# Altium PCB TD4_CPU.PcbDoc (part 3 of 3)
Units mm, origin at the board's own origin, x right, y up, seen from the top; angles counter-clockwise.
Board outline 102.11 x 192.02 mm, 2 copper layers (Top Layer, Bottom Layer); 361 components, 295 nets, 1160 pads, 333 vias.
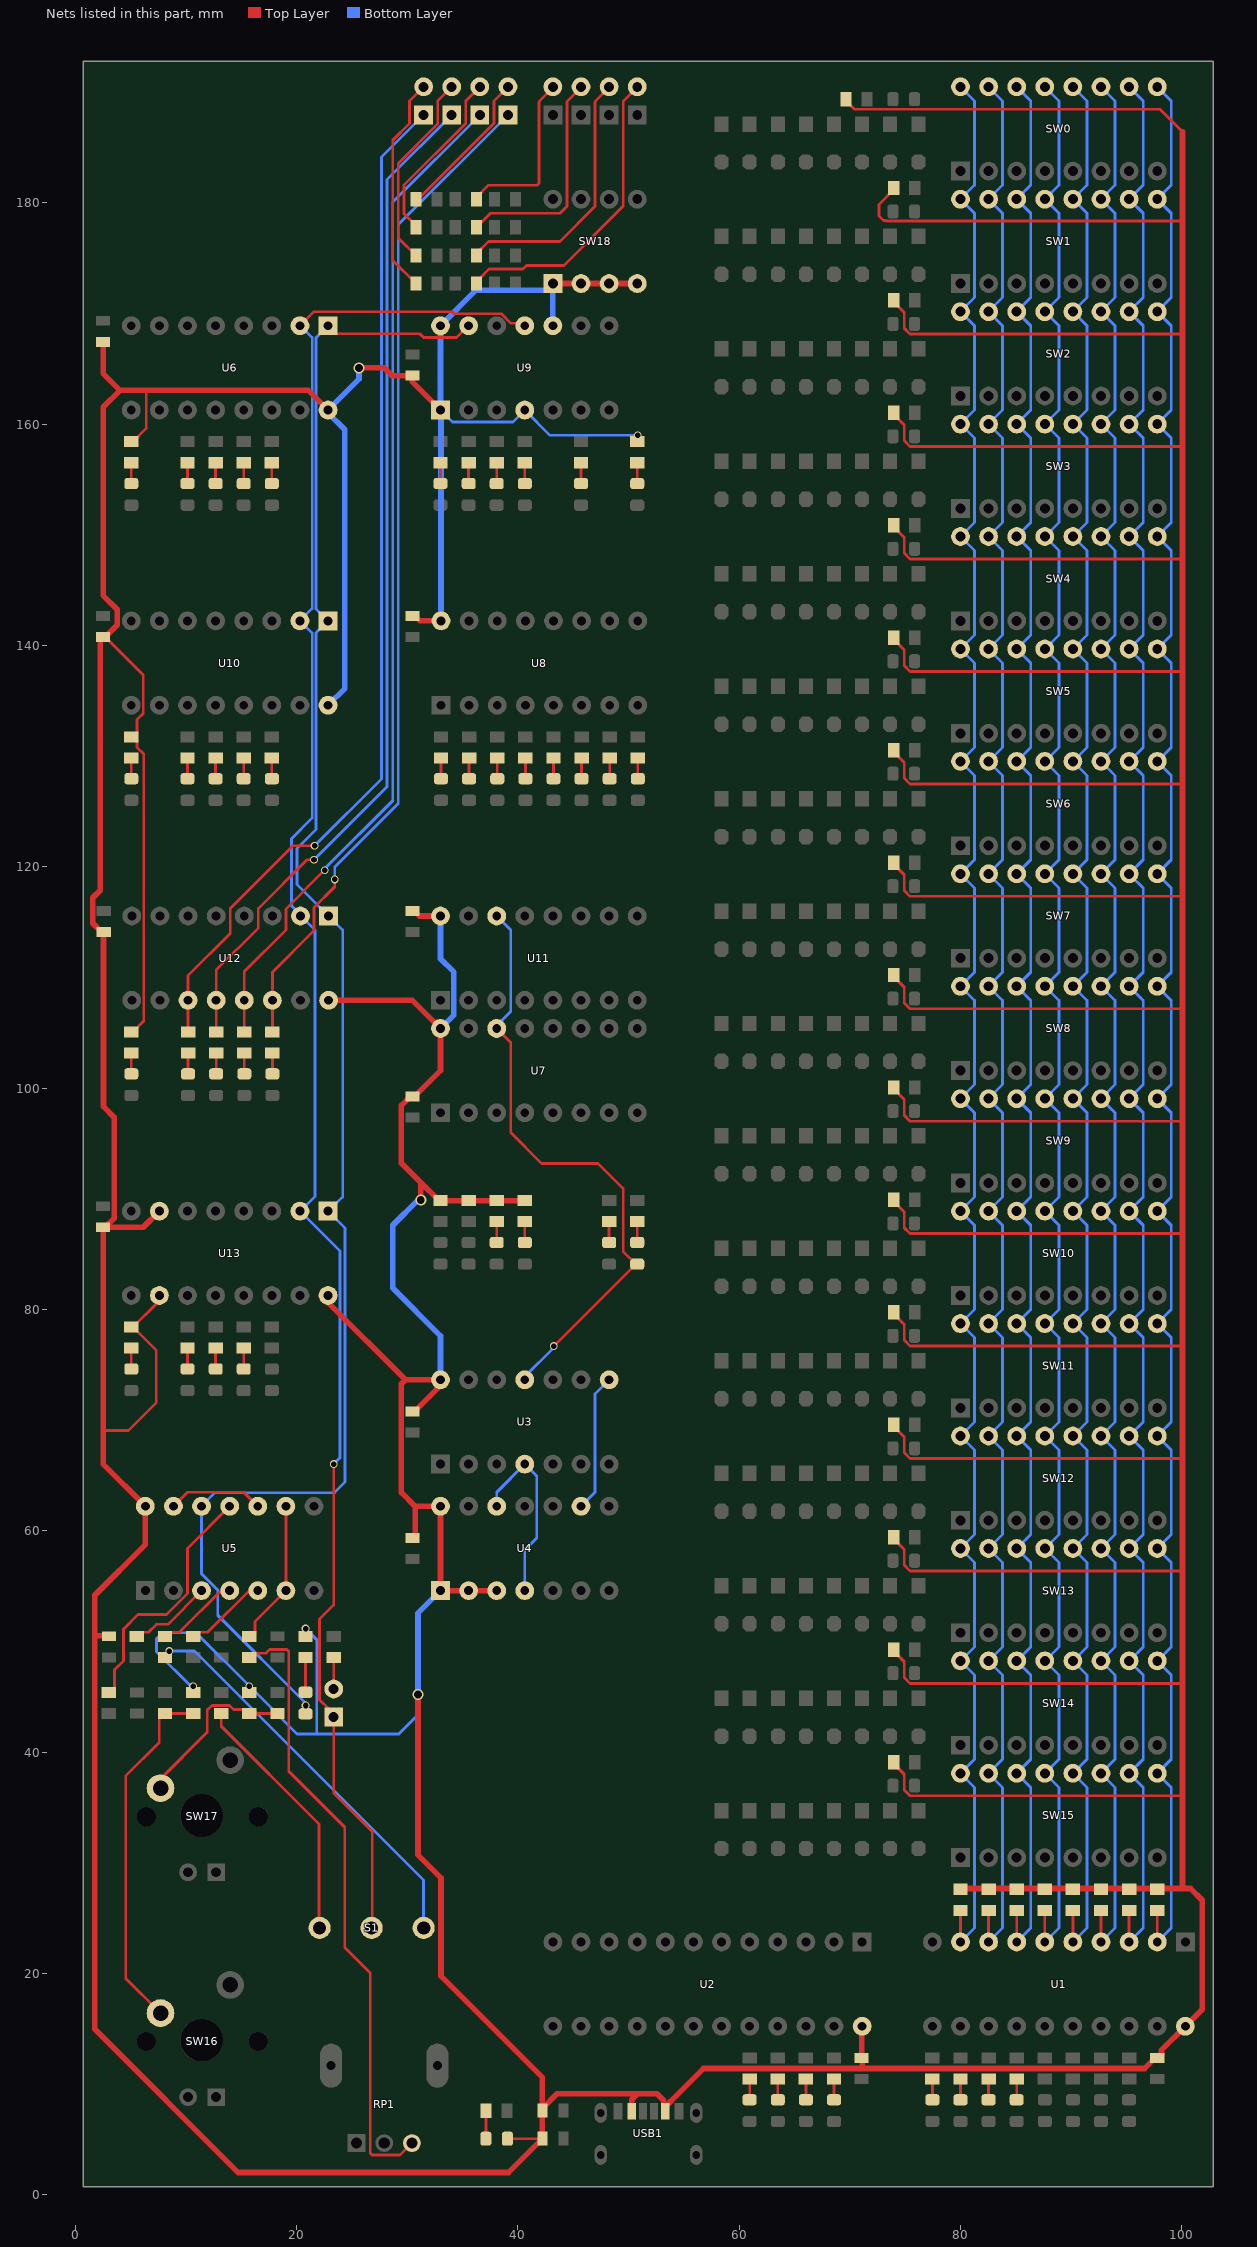
[diagram p3: the nets of this part, all layers, seen from the top]

## Via types
v1: diameter 0.6, hole 0.5, Top Layer to Bottom Layer, tented both sides, 253 vias
v2: diameter 0.7, hole 0.5, Top Layer to Bottom Layer, tented both sides, 77 vias
v3: diameter 1, hole 0.7, Top Layer to Bottom Layer, tented both sides, 3 vias

## Nets (pads, with @x,y where several pads share a name; then routed paths per layer and width w, separated by ;. In a path a pad name is that pad's centre, name@x,y a point inside that pad or via, vN(x,y) a via of type N, cw(c..) or ccw(c..) an arc to the next point about the centre after c; other vN are vias at no path point) (continued)
NetLED23_1: LED23.1 R32.1 | length 1.9
  Top Layer w0.254: LED23.1@38.1,86.065 R32.1@38.1,87.95
NetLED24_1: LED24.1 R33.1 | length 1.9
  Top Layer w0.254: LED24.1@15.24,74.635 R33.1@15.24,76.52
NetLED25_1: LED25.1 R34.1 | length 1.9
  Top Layer w0.254: LED25.1@85.09,8.595 R34.1@85.09,10.48
NetLED26_1: LED26.1 R35.1 | length 1.9
  Top Layer w0.254: LED26.1@40.64,86.065 R35.1@40.64,87.95
NetLED27_1: LED27.1 R36.1 | length 1.9
  Top Layer w0.254: LED27.1@12.7,74.635 R36.1@12.7,76.52
NetLED28_1: LED28.1 R37.1 | length 1.9
  Top Layer w0.254: LED28.1@82.55,8.595 R37.1@82.55,10.48
NetLED29_1: LED29.1 R38.1 | length 1.9
  Top Layer w0.254: LED29.1@10.16,74.635 R38.1@10.16,76.52
NetLED30_1: LED30.1 R39.1 | length 1.9
  Top Layer w0.254: LED30.1@80.01,8.595 R39.1@80.01,10.48
NetLED31_1: LED31.1 R40.1 | length 1.9
  Top Layer w0.254: LED31.1@77.47,8.595 R40.1@77.47,10.48
NetLED32_1: LED32.1 R41.1 | length 1.9
  Top Layer w0.254: LED32.1@50.8,154.645 R41.1@50.8,156.53
NetLED33_2: LED33.2 R42.2 | length 1.9
  Top Layer w0.254: LED33.2@50.8,86.065 R42.2@50.8,87.95
NetLED34_2: LED34.2 R43.2 | length 1.9
  Top Layer w0.254: LED34.2@48.26,86.065 R43.2@48.26,87.95
NetLED35_2: LED35.2 R44.2 | length 3.2
  Top Layer w0.254: LED35.2@23.368,45.425 R44.2@23.368,48.58
NetLED36_1: LED36.1 R45.2 | length 3.2
  Top Layer w0.254: LED36.1@20.828,45.425 R45.2@20.828,48.58
NetLED37_2: LED37.2 R46.2 | length 1.9
  Top Layer w0.254: LED37.2@45.72,154.645 R46.2@45.72,156.53
NetLED38_2: LED38.2 R47.2 | length 1.9
  Top Layer w0.254: LED38.2@50.851,127.975 R47.2@50.851,129.86
NetLED39_2: LED39.2 R48.2 | length 1.9
  Top Layer w0.254: LED39.2@40.691,127.975 R48.2@40.691,129.86
NetLED40_2: LED40.2 R49.2 | length 1.9
  Top Layer w0.254: LED40.2@40.64,154.645 R49.2@40.64,156.53
NetLED41_1: LED41.1 R50.1 | length 1.9
  Top Layer w0.254: LED41.1@17.78,154.645 R50.1@17.78,156.53
NetLED42_1: LED42.1 R51.1 | length 1.9
  Top Layer w0.254: LED42.1@17.78,127.975 R51.1@17.78,129.86
NetLED43_2: LED43.2 R52.2 | length 13.7
  Top Layer w0.254: R52.2@30.8,180.34 30.979,180.34 37.846,187.207 37.846,189.23 LED43.2@39.116,190.5
NetLED44_2: LED44.2 R53.2 | length 27.6
  Top Layer w0.254: R53.2@36.256,172.72 36.256,172.87 36.629,173.243 37.412,174.026 40.465,174.026 40.785,174.346 44.171,174.346 49.53,179.705 49.53,189.179 LED44.2@50.851,190.5
NetLED45_2: LED45.2 R54.2 | length 1.9
  Top Layer w0.254: LED45.2@48.311,127.975 R54.2@48.311,129.86
NetLED46_2: LED46.2 R55.2 | length 1.9
  Top Layer w0.254: LED46.2@38.151,127.975 R55.2@38.151,129.86
NetLED47_2: LED47.2 R56.2 | length 1.9
  Top Layer w0.254: LED47.2@38.1,154.645 R56.2@38.1,156.53
NetLED48_1: LED48.1 R57.1 | length 1.9
  Top Layer w0.254: LED48.1@15.24,154.645 R57.1@15.24,156.53
NetLED49_1: LED49.1 R58.1 | length 1.9
  Top Layer w0.254: LED49.1@15.24,127.975 R58.1@15.24,129.86
NetLED50_2: LED50.2 R59.2 | length 16
  Top Layer w0.254: R59.2@30.8,177.8 30.8,177.95 29.718,179.032 29.718,181.61 35.306,187.198 35.306,189.23 LED50.2@36.576,190.5
NetLED51_2: LED51.2 R60.2 | length 24
  Top Layer w0.254: R60.2@36.256,175.26 36.256,175.41 37.376,176.53 43.815,176.53 46.99,179.705 46.99,189.179 LED51.2@48.311,190.5
NetLED52_2: LED52.2 R61.2 | length 1.9
  Top Layer w0.254: LED52.2@45.771,127.975 R61.2@45.771,129.86
NetLED53_2: LED53.2 R62.2 | length 1.9
  Top Layer w0.254: LED53.2@35.611,127.975 R62.2@35.611,129.86
NetLED54_2: LED54.2 R63.2 | length 1.9
  Top Layer w0.254: LED54.2@35.56,154.645 R63.2@35.56,156.53
NetLED55_1: LED55.1 R64.1 | length 1.9
  Top Layer w0.254: LED55.1@12.7,154.645 R64.1@12.7,156.53
NetLED56_1: LED56.1 R65.1 | length 1.9
  Top Layer w0.254: LED56.1@12.7,127.975 R65.1@12.7,129.86
NetLED57_2: LED57.2 R66.2 | length 17.9
  Top Layer w0.254: R66.2@30.8,175.26 29.21,176.85 29.21,183.578 32.766,187.135 32.766,189.23 LED57.2@34.036,190.5
NetLED58_2: LED58.2 R67.2 | length 20.3
  Top Layer w0.254: R67.2@36.256,177.8 37.526,179.07 43.815,179.07 44.45,179.705 44.45,189.179 LED58.2@45.771,190.5
NetLED59_2: LED59.2 R68.2 | length 1.9
  Top Layer w0.254: LED59.2@43.231,127.975 R68.2@43.231,129.86
NetLED60_2: LED60.2 R69.2 | length 1.9
  Top Layer w0.254: LED60.2@33.071,127.975 R69.2@33.071,129.86
NetLED61_2: LED61.2 R70.2 | length 1.9
  Top Layer w0.254: LED61.2@33.02,154.645 R70.2@33.02,156.53
NetLED62_1: LED62.1 R71.1 | length 1.9
  Top Layer w0.254: LED62.1@10.16,154.645 R71.1@10.16,156.53
NetLED63_1: LED63.1 R72.1 | length 1.9
  Top Layer w0.254: LED63.1@10.16,127.975 R72.1@10.16,129.86
NetLED64_2: LED64.2 R73.2 | length 19.8
  Top Layer w0.254: R73.2@30.8,172.72 28.702,174.818 28.702,185.674 30.226,187.198 30.226,189.23 LED64.2@31.496,190.5
NetLED65_2: LED65.2 R74.2 | length 15.6
  Top Layer w0.254: R74.2@36.256,180.34 36.256,180.49 37.376,181.61 41.761,181.61 41.91,181.759 41.91,189.179 LED65.2@43.231,190.5
NetLED66_1: LED66.1 R89.1 | length 1.9
  Top Layer w0.254: LED66.1@17.831,101.305 R89.1@17.831,103.19
NetLED67_1: LED67.1 R90.1 | length 1.9
  Top Layer w0.254: LED67.1@68.58,8.595 R90.1@68.58,10.48
NetLED68_1: LED68.1 R91.1 | length 1.9
  Top Layer w0.254: LED68.1@15.291,101.305 R91.1@15.291,103.19
NetLED69_1: LED69.1 R92.1 | length 1.9
  Top Layer w0.254: LED69.1@66.04,8.595 R92.1@66.04,10.48
NetLED70_1: LED70.1 R93.1 | length 1.9
  Top Layer w0.254: LED70.1@12.751,101.305 R93.1@12.751,103.19
NetLED71_1: LED71.1 R94.1 | length 1.9
  Top Layer w0.254: LED71.1@63.5,8.595 R94.1@63.5,10.48
NetLED72_1: LED72.1 R95.1 | length 1.9
  Top Layer w0.254: LED72.1@10.211,101.305 R95.1@10.211,103.19
NetLED73_1: LED73.1 R96.1 | length 1.9
  Top Layer w0.254: LED73.1@60.96,8.595 R96.1@60.96,10.48
NetLED74_2: LED74.2 R97.2 | length 2.6
  Top Layer w0.254: LED74.2@37.125,5.08 37.125,7.595 R97.2@37.15,7.62
NetLED75_1: LED75.1 R98.1 | length 1.9
  Top Layer w0.254: LED75.1@5.08,154.645 R98.1@5.08,156.53
NetLED76_1: LED76.1 R99.1 | length 1.9
  Top Layer w0.254: LED76.1@5.08,127.975 R99.1@5.08,129.86
NetLED77_1: LED77.1 R100.1 | length 1.9
  Top Layer w0.254: LED77.1@5.08,101.305 R100.1@5.08,103.19
NetLED78_1: LED78.1 R101.1 | length 1.9
  Top Layer w0.254: LED78.1@5.08,74.635 R101.1@5.08,76.52
NetR1_2: R1.2 SW0.16 SW1.16 SW2.16 SW3.16 SW4.16 SW5.16 SW6.16 SW7.16 SW8.16 SW9.16 SW10.16 SW11.16 SW12.16 SW13.16 SW14.16 SW15.16 U1.9 | length 187.3
  Top Layer w0.254: U1.9@80.01,22.86 R1.2@80.01,25.72
  Bottom Layer w0.254: U1.9@80.01,22.86 81.28,24.13 81.28,36.83 SW15.16@80.01,38.1 81.28,39.37 81.28,46.99 SW14.16@80.01,48.26 81.28,49.53 81.28,57.15 SW13.16@80.01,58.42 81.28,59.69 81.28,67.31 SW12.16@80.01,68.58 81.28,69.85 81.28,77.47 SW11.16@80.01,78.74 81.28,80.01 81.28,87.63 SW10.16@80.01,88.9 81.28,90.17 81.28,97.79 SW9.16@80.01,99.06 81.28,100.33 81.28,107.95 SW8.16@80.01,109.22 81.28,110.49 81.28,118.11 SW7.16@80.01,119.38 81.28,120.65 81.28,128.27 SW6.16@80.01,129.54 81.28,130.81 81.28,138.43 SW5.16@80.01,139.7 81.28,140.97 81.28,148.59 SW4.16@80.01,149.86 81.28,151.13 81.28,158.75 SW3.16@80.01,160.02 81.28,161.29 81.28,168.91 SW2.16@80.01,170.18 81.28,171.45 81.28,179.07 SW1.16@80.01,180.34 81.28,181.61 81.28,189.23 SW0.16@80.01,190.5
NetR2_2: R2.2 SW0.15 SW1.15 SW2.15 SW3.15 SW4.15 SW5.15 SW6.15 SW7.15 SW8.15 SW9.15 SW10.15 SW11.15 SW12.15 SW13.15 SW14.15 SW15.15 U1.8 | length 187.3
  Top Layer w0.254: U1.8@82.55,22.86 R2.2@82.55,25.72
  Bottom Layer w0.254: U1.8@82.55,22.86 83.82,24.13 83.82,36.83 SW15.15@82.55,38.1 83.82,39.37 83.82,46.99 SW14.15@82.55,48.26 83.82,49.53 83.82,57.15 SW13.15@82.55,58.42 83.82,59.69 83.82,67.31 SW12.15@82.55,68.58 83.82,69.85 83.82,77.47 SW11.15@82.55,78.74 83.82,80.01 83.82,87.63 SW10.15@82.55,88.9 83.82,90.17 83.82,97.79 SW9.15@82.55,99.06 83.82,100.33 83.82,107.95 SW8.15@82.55,109.22 83.82,110.49 83.82,118.11 SW7.15@82.55,119.38 83.82,120.65 83.82,128.27 SW6.15@82.55,129.54 83.82,130.81 83.82,138.43 SW5.15@82.55,139.7 83.82,140.97 83.82,148.59 SW4.15@82.55,149.86 83.82,151.13 83.82,158.75 SW3.15@82.55,160.02 83.82,161.29 83.82,168.91 SW2.15@82.55,170.18 83.82,171.45 83.82,179.07 SW1.15@82.55,180.34 83.82,181.61 83.82,189.23 SW0.15@82.55,190.5
NetR3_2: R3.2 SW0.14 SW1.14 SW2.14 SW3.14 SW4.14 SW5.14 SW6.14 SW7.14 SW8.14 SW9.14 SW10.14 SW11.14 SW12.14 SW13.14 SW14.14 SW15.14 U1.7 | length 187.3
  Top Layer w0.254: U1.7@85.09,22.86 R3.2@85.09,25.72
  Bottom Layer w0.254: U1.7@85.09,22.86 86.36,24.13 86.36,36.83 SW15.14@85.09,38.1 86.36,39.37 86.36,46.99 SW14.14@85.09,48.26 86.36,49.53 86.36,57.15 SW13.14@85.09,58.42 86.36,59.69 86.36,67.31 SW12.14@85.09,68.58 86.36,69.85 86.36,77.47 SW11.14@85.09,78.74 86.36,80.01 86.36,87.63 SW10.14@85.09,88.9 86.36,90.17 86.36,97.79 SW9.14@85.09,99.06 86.36,100.33 86.36,107.95 SW8.14@85.09,109.22 86.36,110.49 86.36,118.11 SW7.14@85.09,119.38 86.36,120.65 86.36,128.27 SW6.14@85.09,129.54 86.36,130.81 86.36,138.43 SW5.14@85.09,139.7 86.36,140.97 86.36,148.59 SW4.14@85.09,149.86 86.36,151.13 86.36,158.75 SW3.14@85.09,160.02 86.36,161.29 86.36,168.91 SW2.14@85.09,170.18 86.36,171.45 86.36,179.07 SW1.14@85.09,180.34 86.36,181.61 86.36,189.23 SW0.14@85.09,190.5
NetR4_2: R4.2 SW0.13 SW1.13 SW2.13 SW3.13 SW4.13 SW5.13 SW6.13 SW7.13 SW8.13 SW9.13 SW10.13 SW11.13 SW12.13 SW13.13 SW14.13 SW15.13 U1.6 | length 187.3
  Top Layer w0.254: U1.6@87.63,22.86 R4.2@87.63,25.72
  Bottom Layer w0.254: U1.6@87.63,22.86 88.9,24.13 88.9,36.83 SW15.13@87.63,38.1 88.9,39.37 88.9,46.99 SW14.13@87.63,48.26 88.9,49.53 88.9,57.15 SW13.13@87.63,58.42 88.9,59.69 88.9,67.31 SW12.13@87.63,68.58 88.9,69.85 88.9,77.47 SW11.13@87.63,78.74 88.9,80.01 88.9,87.63 SW10.13@87.63,88.9 88.9,90.17 88.9,97.79 SW9.13@87.63,99.06 88.9,100.33 88.9,107.95 SW8.13@87.63,109.22 88.9,110.49 88.9,118.11 SW7.13@87.63,119.38 88.9,120.65 88.9,128.27 SW6.13@87.63,129.54 88.9,130.81 88.9,138.43 SW5.13@87.63,139.7 88.9,140.97 88.9,148.59 SW4.13@87.63,149.86 88.9,151.13 88.9,158.75 SW3.13@87.63,160.02 88.9,161.29 88.9,168.91 SW2.13@87.63,170.18 88.9,171.45 88.9,179.07 SW1.13@87.63,180.34 88.9,181.61 88.9,189.23 SW0.13@87.63,190.5
NetR5_2: R5.2 SW0.12 SW1.12 SW2.12 SW3.12 SW4.12 SW5.12 SW6.12 SW7.12 SW8.12 SW9.12 SW10.12 SW11.12 SW12.12 SW13.12 SW14.12 SW15.12 U1.5 | length 187.3
  Top Layer w0.254: U1.5@90.17,22.86 R5.2@90.17,25.72
  Bottom Layer w0.254: U1.5@90.17,22.86 91.44,24.13 91.44,36.83 SW15.12@90.17,38.1 91.44,39.37 91.44,46.99 SW14.12@90.17,48.26 91.44,49.53 91.44,57.15 SW13.12@90.17,58.42 91.44,59.69 91.44,67.31 SW12.12@90.17,68.58 91.44,69.85 91.44,77.47 SW11.12@90.17,78.74 91.44,80.01 91.44,87.63 SW10.12@90.17,88.9 91.44,90.17 91.44,97.79 SW9.12@90.17,99.06 91.44,100.33 91.44,107.95 SW8.12@90.17,109.22 91.44,110.49 91.44,118.11 SW7.12@90.17,119.38 91.44,120.65 91.44,128.27 SW6.12@90.17,129.54 91.44,130.81 91.44,138.43 SW5.12@90.17,139.7 91.44,140.97 91.44,148.59 SW4.12@90.17,149.86 91.44,151.13 91.44,158.75 SW3.12@90.17,160.02 91.44,161.29 91.44,168.91 SW2.12@90.17,170.18 91.44,171.45 91.44,179.07 SW1.12@90.17,180.34 91.44,181.61 91.44,189.23 SW0.12@90.17,190.5
NetR6_2: R6.2 SW0.11 SW1.11 SW2.11 SW3.11 SW4.11 SW5.11 SW6.11 SW7.11 SW8.11 SW9.11 SW10.11 SW11.11 SW12.11 SW13.11 SW14.11 SW15.11 U1.4 | length 187.3
  Top Layer w0.254: U1.4@92.71,22.86 R6.2@92.71,25.72
  Bottom Layer w0.254: U1.4@92.71,22.86 93.98,24.13 93.98,36.83 SW15.11@92.71,38.1 93.98,39.37 93.98,46.99 SW14.11@92.71,48.26 93.98,49.53 93.98,57.15 SW13.11@92.71,58.42 93.98,59.69 93.98,67.31 SW12.11@92.71,68.58 93.98,69.85 93.98,77.47 SW11.11@92.71,78.74 93.98,80.01 93.98,87.63 SW10.11@92.71,88.9 93.98,90.17 93.98,97.79 SW9.11@92.71,99.06 93.98,100.33 93.98,107.95 SW8.11@92.71,109.22 93.98,110.49 93.98,118.11 SW7.11@92.71,119.38 93.98,120.65 93.98,128.27 SW6.11@92.71,129.54 93.98,130.81 93.98,138.43 SW5.11@92.71,139.7 93.98,140.97 93.98,148.59 SW4.11@92.71,149.86 93.98,151.13 93.98,158.75 SW3.11@92.71,160.02 93.98,161.29 93.98,168.91 SW2.11@92.71,170.18 93.98,171.45 93.98,179.07 SW1.11@92.71,180.34 93.98,181.61 93.98,189.23 SW0.11@92.71,190.5
NetR7_2: R7.2 SW0.10 SW1.10 SW2.10 SW3.10 SW4.10 SW5.10 SW6.10 SW7.10 SW8.10 SW9.10 SW10.10 SW11.10 SW12.10 SW13.10 SW14.10 SW15.10 U1.3 | length 187.3
  Top Layer w0.254: U1.3@95.25,22.86 R7.2@95.25,25.72
  Bottom Layer w0.254: U1.3@95.25,22.86 96.52,24.13 96.52,36.83 SW15.10@95.25,38.1 96.52,39.37 96.52,46.99 SW14.10@95.25,48.26 96.52,49.53 96.52,57.15 SW13.10@95.25,58.42 96.52,59.69 96.52,67.31 SW12.10@95.25,68.58 96.52,69.85 96.52,77.47 SW11.10@95.25,78.74 96.52,80.01 96.52,87.63 SW10.10@95.25,88.9 96.52,90.17 96.52,97.79 SW9.10@95.25,99.06 96.52,100.33 96.52,107.95 SW8.10@95.25,109.22 96.52,110.49 96.52,118.11 SW7.10@95.25,119.38 96.52,120.65 96.52,128.27 SW6.10@95.25,129.54 96.52,130.81 96.52,138.43 SW5.10@95.25,139.7 96.52,140.97 96.52,148.59 SW4.10@95.25,149.86 96.52,151.13 96.52,158.75 SW3.10@95.25,160.02 96.52,161.29 96.52,168.91 SW2.10@95.25,170.18 96.52,171.45 96.52,179.07 SW1.10@95.25,180.34 96.52,181.61 96.52,189.23 SW0.10@95.25,190.5
NetR8_2: R8.2 SW0.9 SW1.9 SW2.9 SW3.9 SW4.9 SW5.9 SW6.9 SW7.9 SW8.9 SW9.9 SW10.9 SW11.9 SW12.9 SW13.9 SW14.9 SW15.9 U1.2 | length 187.3
  Top Layer w0.254: U1.2@97.79,22.86 R8.2@97.79,25.72
  Bottom Layer w0.254: U1.2@97.79,22.86 99.06,24.13 99.06,36.83 SW15.9@97.79,38.1 99.06,39.37 99.06,46.99 SW14.9@97.79,48.26 99.06,49.53 99.06,57.15 SW13.9@97.79,58.42 99.06,59.69 99.06,67.31 SW12.9@97.79,68.58 99.06,69.85 99.06,77.47 SW11.9@97.79,78.74 99.06,80.01 99.06,87.63 SW10.9@97.79,88.9 99.06,90.17 99.06,97.79 SW9.9@97.79,99.06 99.06,100.33 99.06,107.95 SW8.9@97.79,109.22 99.06,110.49 99.06,118.11 SW7.9@97.79,119.38 99.06,120.65 99.06,128.27 SW6.9@97.79,129.54 99.06,130.81 99.06,138.43 SW5.9@97.79,139.7 99.06,140.97 99.06,148.59 SW4.9@97.79,149.86 99.06,151.13 99.06,158.75 SW3.9@97.79,160.02 99.06,161.29 99.06,168.91 SW2.9@97.79,170.18 99.06,171.45 99.06,179.07 SW1.9@97.79,180.34 99.06,181.61 99.06,189.23 SW0.9@97.79,190.5
NetR75_1: R75.1 R76.1 SW16.1 | length 32.5
  Top Layer w0.254: SW16.1@7.722,16.434 4.572,19.583 4.572,37.846 7.605,40.879 7.605,43.127 7.978,43.5 R76.1@8.128,43.5 R75.1@10.668,43.5
NetR77_2: R77.2 U5.3 | length 7.6
  Top Layer w0.254: R77.2@5.588,50.48 5.961,50.853 6.657,50.853 7.366,51.562 8.382,51.562 U5.3@11.43,54.61
NetR78_1: R78.1 U5.4 | length 6.8
  Top Layer w0.254: R78.1@8.128,50.48 8.501,50.853 9.451,50.853 U5.4@13.208,54.61
NetR78_2: R78.2 S1.1 | length 35.9
  Bottom Layer w0.254: v2(8.501,49.149) 10.795,49.149 31.496,28.448 S1.1@31.496,24.13
NetR79_1: R79.1 RP1.3 | length 56.6
  Top Layer w0.254: R79.1@15.748,48.58 16.121,48.953 17.258,48.953 17.581,49.276 19.155,49.276 19.304,49.127 19.304,38.291 24.369,33.226 24.369,22.367 26.67,20.066 26.67,3.8 26.857,3.613 29.369,3.613 RP1.3@30.44,4.684
NetR79_2: R79.2 U5.6 U5.9 | length 13.2
  Top Layer w0.254: R79.2@15.748,50.48 15.898,50.48 16.271,50.853 16.271,51.831 U5.6@19.05,54.61 U5.9@19.05,62.23
NetR80_2: R80.2 U5.5 | length 6.8
  Top Layer w0.254: R80.2@10.668,50.48 11.041,50.853 11.991,50.853 U5.5@15.748,54.61
NetR81_2: R81.2 S1.3 | length 23.1
  Top Layer w0.254: R81.2@13.208,43.5 13.208,42.355 22.034,33.528 22.034,24.191 S1.3@22.096,24.13
NetR82_1: R82.1 R83.1 SW17.1 | length 15.1
  Top Layer w0.254: SW17.1@7.468,37.338 11.938,41.808 11.938,43.793 12.373,44.229 13.953,44.229 14.308,43.873 15.375,43.873 R82.1@15.748,43.5 R83.1@18.288,43.5
NetR84_2: R84.2 U5.11 | length 22.9
  Top Layer w0.254: R84.2@3.048,45.4 3.198,45.4 3.571,45.773 3.571,47.462 4.369,48.26 4.369,51.12 5.698,52.449 8.254,52.449 10.16,54.355 10.16,58.42 U5.11@13.97,62.23
NetU3_4: U3.4 U4.4 U4.12 | length 17.2
  Bottom Layer w0.254: U4.12@38.1,62.23 38.1,63.5 U3.4@40.64,66.04 41.719,64.961 41.719,59.378 40.64,58.3 U4.4@40.64,54.61
NetU3_8: U3.8 U4.9 | length 12.5
  Bottom Layer w0.254: U4.9@45.72,62.23 46.99,63.5 46.99,72.39 U3.8@48.26,73.66
NetU5_10: U5.10 U5.13 | length 8.7
  Top Layer w0.254: U5.13@8.89,62.23 10.16,63.5 15.24,63.5 U5.10@16.51,62.23
OUT_REG_0: LED43.1 R89.2 U12.14 | length 91.7
  Top Layer w0.254: R89.2@17.831,105.09 U12.14@17.831,107.95 17.831,110.49 21.59,114.249 21.59,116.332 23.47,118.212 v2(23.47,118.872)
  Bottom Layer w0.254: v2(23.47,118.872) 23.47,119.99 29.21,125.73 29.21,178.054 LED43.1@39.116,187.96
OUT_REG_1: LED50.1 R91.2 U12.13 | length 91.7
  Top Layer w0.254: R91.2@15.291,105.09 U12.13@15.291,107.95 15.291,110.541 19.05,114.3 19.05,116.205 v2(22.555,119.71)
  Bottom Layer w0.254: v2(22.555,119.71) 22.555,119.837 28.702,125.984 28.702,180.086 LED50.1@36.576,187.96
OUT_REG_2: LED57.1 R93.2 U12.12 | length 92.1
  Top Layer w0.254: R93.2@12.751,105.09 U12.12@12.751,107.95 12.751,110.686 16.561,114.496 16.561,116.256 20.955,120.65 v2(21.59,120.65)
  Bottom Layer w0.254: v2(21.59,120.65) 28.194,127.254 28.194,182.118 LED57.1@34.036,187.96
OUT_REG_3: LED64.1 R95.2 U12.11 | length 92.8
  Top Layer w0.254: R95.2@10.211,105.09 U12.11@10.211,107.95 10.211,110.178 14.021,113.988 14.021,116.256 19.685,121.92 v2(21.641,121.92)
  Bottom Layer w0.254: v2(21.641,121.92) 27.686,127.965 27.686,184.15 LED64.1@31.496,187.96
SELA: LED33.1 U3.11 U7.14 U11.14 | length 55.4
  Top Layer w0.254: U7.14@38.1,105.41 39.37,104.14 39.37,96.012 42.164,93.218 47.244,93.218 49.53,90.932 49.53,85.258 LED33.1@50.673,84.115 ; v2(43.265,76.707) LED33.1@50.673,84.115 ; LED33.1@50.8,84.115 LED33.1@50.673,84.115
  Bottom Layer w0.254: U7.14@38.1,105.41 38.1,105.664 39.37,106.934 39.37,114.3 U11.14@38.1,115.57 ; U3.11@40.64,73.66 40.64,73.961 43.265,76.586 v2(43.265,76.707)
SYS_CLK: LED35.1 S1.2 U6.2 U9.11 U10.2 U12.2 U13.2 | length 173.9
  Top Layer w0.254: U6.2@20.32,168.91 21.59,170.18 34.036,170.18 34.227,169.989 38.547,169.989 39.409,169.126 40.424,169.126 U9.11@40.64,168.91 ; v2(23.368,66.04) 23.368,53.314 22.098,52.044 22.098,44.745 22.938,43.904 22.938,43.846 23.31,43.475 23.368,43.475 23.368,36.322 26.857,32.833 S1.2@26.857,24.191
  Bottom Layer w0.254: U13.2@20.32,88.9 23.939,85.281 23.939,66.611 v2(23.368,66.04) ; U13.2@20.371,88.9 21.692,90.221 21.692,114.3 U12.2@20.422,115.57 ; U12.2@20.371,115.57 20.371,115.685 19.558,116.498 19.558,122.555 21.426,124.423 21.426,141.134 U10.2@20.32,142.24 21.426,143.346 21.426,167.855 U6.2@20.371,168.91
SYS_RST: LED36.2 U5.12 U6.1 U9.13 U10.1 U12.1 U13.1 | length 158.5
  Top Layer w0.254: U6.1@22.86,168.91 23.583,168.187 31.148,168.187 31.503,167.831 34.481,167.831 U9.13@35.56,168.91
  Bottom Layer w0.254: v2@20.828,44.45 12.891,52.387 12.891,54.674 11.43,56.135 U5.12@11.43,62.23 12.659,63.459 23.432,63.459 24.384,64.411 24.384,87.376 U13.1@22.86,88.9 ; U6.1@22.86,168.91 21.867,167.917 21.781,167.831 21.781,143.319 U10.1@22.86,142.24 21.844,141.224 21.844,141.219 21.781,141.156 21.781,123.381 20.066,121.666 20.066,118.415 U12.1@22.911,115.57 24.181,114.3 24.181,90.17 U13.1@22.911,88.9
  other v2: 20.828,44.229
VCC: C1.2 C2.2 C3.2 C4.2 C5.2 C6.2 C7.2 C8.2 C9.2 C10.2 C11.2 C12.2 C13.2 C14.2 C15.2 LED74.1 R1.1 R2.1 R3.1 R4.1 R5.1 R6.1 R7.1 R8.1 R9.2 R10.2 R11.2 R12.2 R13.2 R14.2 R15.2 R16.2 R17.2 R18.2 R19.2 R20.2 R21.2 R22.2 R23.2 R24.2 R27.2 R29.2 R32.2 R35.2 R41.2 R45.1 R75.2 R82.2 R98.2 R99.2 R100.2 R101.2 SW18.1 SW18.2 SW18.3 SW18.4 U1.20 U2.24 U3.14 U4.1 U4.2 U4.3 U4.14 U5.14 U6.16 U7.16 U8.16 U9.1 U9.4 U9.10 U9.14 U10.16 U11.16 U12.16 U13.7 U13.10 U13.16 USB1.A9 USB1.B9 | length 1348.7
  Top Layer w0.254: 2.54,69.088 4.826,69.088 7.343,71.605 7.343,76.307 R101.2@5.23,78.42 ; C9.2@2.54,140.782 2.73,140.782 6.159,137.354 6.159,133.878 5.603,133.322 5.603,132.133 R99.2@5.23,131.76 ; R101.2@5.08,78.42 R101.2@5.23,78.42 ; R100.2@5.08,105.09 5.23,105.09 6.209,106.069 6.209,130.204 5.603,130.81 5.603,131.387 R99.2@5.23,131.76 ; R99.2@5.08,131.76 R99.2@5.23,131.76 ; R98.2@5.08,158.43 5.23,158.43 6.426,159.626 6.426,162.89 6.604,163.068 ; U13.10@7.62,81.28 7.343,81.003 7.343,80.533 R101.2@5.23,78.42 ; LED74.1@39.075,5.08 C15.2@42.23,5.08 ; R9.2@69.662,189.389 69.662,189.239 70.433,188.468 98.044,188.468 100.076,186.436 ; R24.2@73.98,38.966 74.93,38.016 74.93,36.602 75.464,36.068 99.822,36.068 ; R23.2@73.98,49.126 74.93,48.176 74.93,46.762 75.464,46.228 99.822,46.228 ; R22.2@73.98,59.286 74.93,58.336 74.93,56.922 75.464,56.388 99.822,56.388 ; R21.2@73.98,69.446 74.93,68.496 74.93,67.082 75.464,66.548 99.822,66.548 ; R20.2@73.98,79.606 74.93,78.656 74.93,77.242 75.464,76.708 99.822,76.708 ; R19.2@73.98,89.766 74.93,88.816 74.93,87.402 75.464,86.868 99.822,86.868 ; R18.2@73.98,99.926 74.93,98.976 74.93,97.562 75.464,97.028 99.822,97.028 ; R17.2@73.98,110.086 74.93,109.136 74.93,107.722 75.464,107.188 99.822,107.188 ; R16.2@73.98,120.246 74.93,119.296 74.93,117.882 75.464,117.348 99.822,117.348 ; R15.2@73.98,130.406 74.93,129.456 74.93,128.042 75.464,127.508 99.822,127.508 ; R14.2@73.98,140.566 74.93,139.616 74.93,138.202 75.464,137.668 99.822,137.668 ; R13.2@73.98,150.726 74.93,149.776 74.93,148.362 75.464,147.828 99.822,147.828 ; R12.2@73.98,160.886 74.93,159.936 74.93,158.522 75.464,157.988 99.822,157.988 ; R11.2@73.98,171.196 73.98,171.046 74.93,170.096 74.93,168.682 75.464,168.148 99.822,168.148 ; R10.2@73.98,181.356 73.98,181.206 72.644,179.87 72.644,178.816 73.047,178.413 73.285,178.413 73.333,178.365 99.879,178.365 100.076,178.562
  Top Layer w0.508: C9.2@2.54,140.782 2.476,140.782 2.286,140.592 2.286,117.9 1.6,117.214 1.6,114.912 2.4,114.112 C4.2@2.591,114.112 2.565,114.087 2.565,98.352 3.531,97.387 3.531,88.242 C5.2@2.73,87.442 ; C13.2@2.54,167.452 2.54,164.592 4.064,163.068 ; C9.2@2.73,140.782 3.81,141.862 3.81,143.256 2.54,144.526 2.54,161.544 4.064,163.068 ; C7.2@3.048,50.48 2.982,50.546 1.778,50.546 ; U13.7@7.62,88.9 6.162,87.442 C5.2@2.73,87.442 ; U13.16@22.86,81.28 22.86,80.648 29.848,73.66 ; U6.16@22.86,161.29 21.082,163.068 6.604,163.068 4.064,163.068 ; U12.16@22.911,107.95 30.48,107.95 U7.16@33.02,105.41 33.02,101.597 30.671,99.248 30.29,99.248 29.489,98.448 29.489,93.231 31.242,91.478 ; v3(25.654,165.1) 27.938,165.1 28.633,164.404 C14.2@30.48,164.404 30.48,163.83 U9.1@33.02,161.29 ; C8.2@30.48,59.37 30.541,59.37 30.732,59.56 30.732,62.23 ; C1.2@30.48,70.8 30.671,70.8 32.792,72.921 32.792,73.432 U3.14@33.02,73.66 29.848,73.66 ; C11.2@30.48,116.012 30.671,116.012 31.113,115.57 U11.16@33.02,115.57 ; C12.2@30.531,142.682 30.721,142.682 31.163,142.24 U8.16@33.071,142.24 ; v3(30.988,45.212) 30.988,30.734 33.071,28.651 33.071,19.788 42.23,10.629 C3.2@42.23,7.811 ; v3(31.242,89.916) 31.242,91.478 ; U4.3@38.1,54.61 U4.2@35.56,54.61 U4.1@33.02,54.61 U4.14@33.02,62.23 30.732,62.23 ; R35.2@40.64,89.85 32.87,89.85 31.242,91.478 ; SW18.1@43.18,172.72 SW18.2@45.72,172.72 SW18.3@48.26,172.72 SW18.4@50.8,172.72 ; USB1.B9@50.296,7.563 50.296,8.599 50.841,9.144 ; U2.24@71.12,15.24 71.101,15.221 71.101,12.399 C6.2@71.082,12.38 71.12,12.342 71.12,11.43 ; R1.1@80.01,27.686 99.822,27.686 ; 100.076,186.436 100.076,178.562 100.076,27.94 99.822,27.686 ; 1.778,50.546 1.778,54.195 6.35,58.767 U5.14@6.35,62.23 2.54,66.04 2.54,69.088 C5.2@2.54,87.442 C5.2@2.73,87.442 ; 1.778,50.546 1.778,14.986 14.732,2.032 39.182,2.032 41.849,4.699 42.04,4.699 42.23,4.89 C15.2@42.23,5.08 C3.2@42.23,7.811 ; 29.848,73.66 29.489,73.302 29.489,63.472 30.732,62.23 ; C3.2@42.23,7.811 43.563,9.144 50.841,9.144 ; 50.841,9.144 52.578,9.144 53.21,8.512 53.21,7.689 USB1.A9@53.336,7.563 53.336,7.933 53.81,8.406 53.81,8.46 56.78,11.43 71.12,11.43 ; 71.12,11.43 96.65,11.43 97.6,12.38 97.981,12.38 98.171,12.57 98.171,13.081 U1.20@100.33,15.24 101.854,16.764 101.854,26.626 100.794,27.686 99.822,27.686
  Bottom Layer w0.254: v2(10.668,45.974) 10.458,45.974 7.366,49.066 7.366,50.292 7.874,50.8 10.922,50.8 v2(15.748,45.974) 20.066,41.656 21.844,41.656 ; v2(20.828,51.181) 21.844,50.165 21.844,41.656 ; v3(30.988,45.212) 30.988,43.393 29.251,41.656 21.844,41.656 ; U9.1@33.02,161.29 33.071,161.239 34.099,160.211 39.561,160.211 U9.4@40.64,161.29 42.926,159.004 v2(50.851,159.004)
  Bottom Layer w0.508: U10.16@22.86,134.62 24.384,136.144 24.384,159.512 22.86,161.036 U6.16@22.86,161.29 25.654,164.084 v3(25.654,165.1) ; v3(30.988,45.212) 30.988,52.578 U4.1@33.02,54.61 ; v3@30.988,89.916 28.702,87.63 28.702,81.949 33.02,77.631 U3.14@33.02,73.66 ; U7.16@33.02,105.41 34.226,106.616 34.226,110.497 33.02,111.703 U11.16@33.02,115.57 ; U9.1@33.02,161.29 U9.14@33.02,168.91 36.234,172.124 42.584,172.124 SW18.1@43.18,172.72 U9.10@43.18,168.91 ; U8.16@33.071,142.24 U9.1@33.071,161.239
pads on no net: RP1.0 RP1.1 SW16. SW16.3 SW16.4 SW17. SW17.3 SW17.4 U5.2 U6.15 U9.5 U9.6 U9.9 U10.15 U12.15 U13.15 USB1.A5 USB1.B5

## Polygon pours and split planes (outlines as drawn)
GND on Top Layer "Top Layer-GND" (solid, pour order 0): 0.762,192.786 102.87,192.786 102.87,0.762 0.762,0.762
GND on Bottom Layer "Bottom Layer-GND" (solid, pour order 2): 0.762,192.786 102.87,192.786 102.87,0.762 0.762,0.762

## Silkscreen, mask and mechanical layers (free items; w line width, h text height)
Top Overlay:
  drawing of 246 lines, arcs and shapes, not listed
  text "Instruction / 0-00-0000" at 57.404,188.468 h2.7
  text "TD4" at 8.128,187.198 h7.62
  text "A Computer with" at 4.14,185.064 h2.54
  text "3 2 1 0" at 31.115,184.897 h2.72
  text "3 2 1 0" at 42.799,184.897 h2.72
  text "1 /  / 0" at 100.457,183.515 h3.05
  text "OUTPUT" at 31.75,182.626 h2.7
  text "INPUT" at 44.12,182.626 h2.7
  text "4bit CPU" at 3.81,182.118 h5.08
  text "Instruction / 1-01-0001" at 57.328,178.562 h2.7
  text "1 /  / 0" at 100.457,173.355 h3.05
  text "Based on: /  CPUの創りかた By 渡波 郁 / Designed by: /  WRZ from Hubei University / Date:                           Ver: /  2024 - 07 - 14               1.0" at 2.159,171.958 h1.91
  text "Instruction / 2-02-0010" at 57.328,168.402 h2.7
  text "1 /  / 0" at 100.457,163.195 h3.05
  text "74HC74" at 52.324,160.934 h1.27 r90
  text "Instruction / 3-03-0011" at 57.328,158.242 h2.7
  text "74HC161" at 3.454,157.48 h1.27 r90
  text "ALU / OUT" at 20.32,153.556 h2.03
  text "1 /  / 0" at 100.457,153.035 h3.05
  text "To MUX" at 18.999,150.622 h2.03
  text "Load" at 2.565,149.657 h2.7
  text "3 2 1 0" at 9.728,149.657 h2.72
  text "3 2 1 0" at 32.588,149.631 h2.72
  text "C  CQ" at 45.11,149.25 h2.72
  text "Instruction / 4-04-0100" at 57.328,148.082 h2.7
  text "To / Reg" at 29.972,147.066 h2.03
  text "Register-A" at 2.159,145.034 h2.7
  text "ALU / Result" at 33.528,144.831 h2.7
  text "Carry / Flag" at 45.466,144.297 h2.7
  text "1 /  / 0" at 100.457,142.875 h3.05
  text "Instruction / 5-05-0101" at 57.328,137.922 h2.7
  text "1 /  / 0" at 100.457,132.715 h3.05
  text "74HC161" at 3.454,130.81 h1.27 r90
  text "74HC283" at 31.445,130.81 h1.27 r90
  text "Instruction / 6-06-0110" at 57.328,127.762 h2.7
  text "ALU / OUT" at 20.32,126.886 h2.03
  text "To MUX" at 18.999,123.952 h2.03
  text "Load" at 2.565,122.987 h2.7
  text "3 2 1 0" at 9.728,122.987 h2.72
  text "3 2 1 0" at 32.639,122.961 h2.72
  text "3 2 1 0" at 42.799,122.961 h2.72
  text "1 /  / 0" at 100.457,122.555 h3.05
  text "DataA" at 34.036,120.904 h2.7
  text "DataB" at 44.196,120.904 h2.7
  text "MUX OUT" at 37.033,119.431 h2.03
  text "Operand" at 46,119 h2.03
  text "ALU" at 30.15,118.618 h2.7
  text "Register-B" at 2.159,118.364 h2.7
  text "Instruction / 7-07-0111" at 57.328,117.602 h2.7
  text "1 /  / 0" at 100.457,112.395 h3.05
  text "Instruction / 8-08-1000" at 57.328,107.442 h2.7
  text "74HC161" at 3.505,104.14 h1.27 r90
  text "1 /  / 0" at 100.457,102.235 h3.05
  text "74HC153 x2" at 31.496,100.444 h1.27 r90
  text "ALU / OUT" at 20.371,100.216 h2.03
  text "To OUT" at 19.05,97.282 h2.03
  text "Instruction / 9-09-1001" at 57.328,97.282 h2.7
  text "Load" at 2.616,96.52 h2.7
  text "3 2 1 0" at 9.779,96.317 h2.72
  text "Reg  A B" at 30.734,94.488 h2.03
  text "IN" at 42.164,93.624 h2.03
  text "1 /  / 0" at 100.457,92.075 h3.05
  text "MUX" at 30.226,91.948 h2.7
  text "Register-OUT" at 2.21,91.694 h2.7
  text "Instruction / A-10-1010" at 57.328,87.122 h2.7
  text "To / MUX" at 43.942,82.042 h2.03
  text "1 /  / 0" at 100.457,81.915 h3.05
  text "0 1 2 3" at 32.588,81.051 h2.72
  text "B A" at 47.828,81.051 h2.72
  text "To / Reg" at 29.972,78.527 h2.03
  text "Select" at 45.085,78.527 h2.7
  text "Load" at 34.29,78.486 h2.7
  text "74HC161" at 3.454,77.47 h1.27 r90
  text "Instruction / B-11-1011" at 57.328,76.962 h2.7
  text "CQ" at 49.276,75.184 h2.03
  text "ALU / OUT" at 20.32,73.546 h2.03
  text "1 /  / 0" at 100.457,71.755 h3.05
  text "To ROM" at 18.999,70.612 h2.03
  text "Load" at 2.54,69.647 h2.7
  text "3 2 1 0" at 9.728,69.647 h2.72
  text "Instruction / C-12-1100" at 57.307,66.802 h2.7
  text "74HC32" at 52.324,65.786 h1.27 r90
  text "Register-PC" at 2.159,65.024 h2.7
  text "Opcode" at 44.704,63.246 h2.03
  text "1 /  / 0" at 100.457,61.595 h3.05
  text "Instruction / D-13-1101" at 57.328,56.642 h2.7
  text "74HC14" at 3.454,54.61 h1.27 r90
  text "74HC10" at 52.324,54.419 h1.27 r90
  text "1 /  / 0" at 100.457,51.435 h3.05
  text "ID" at 30.099,51.308 h2.7
  text "Instruction / E-14-1110" at 57.328,46.482 h2.7
  text "1 /  / 0" at 100.457,41.275 h3.05
  text "Instruction / F-15-1111" at 57.328,36.322 h2.7
  text "RST" at 2.032,36.068 h2.7 r270
  text "Reset" at 21.463,35.179 h2.7 r90
  text "Clock" at 24.13,35.052 h2.7 r90
  text "Assembly Instruction / MOV A,B    0001 0000 / MOV B,A    0100 0000 / MOV A,Im   0011 XXXX / MOV B,Im   0111 XXXX / ADD A,Im   0000 XXXX / ADD B,Im   0101 XXXX / IN  A      0010 0000 / IN  B      0110 0000 / OUT Im     1011 XXXX / OUT B      1001 0000 / JMP Im     1111 XXXX / JNC Im     1110 XXXX" at 31.547,31.75 h2.03
  text "1 /  / 0" at 100.457,31.115 h3.05
  text "Clock / Select" at 19.685,27.94 h2
  text "RST" at 9.525,24.765 h2.7
  text "Address" at 38.544,24.384 h2.7
  text "Opcode Operand" at 48.92,23.851 h2.7
  text "74HC154" at 39.624,23.368 h1.27 r270
  text "74HC540" at 74.168,23.368 h1.27 r270
  text "Auto Manual" at 20.066,18.796 h2.7
  text "CLK" at 2.032,15.748 h2.7 r270
  text "ROM 8*16bit" at 38.862,12.192 h2.7
  text "Freq" at 22.352,5.207 h2 r90
  text "CLK" at 9.652,4.191 h2.7
  text "3 2 1 0" at 60.528,3.607 h2.72
  text "7 6 5 4" at 77.038,3.607 h2.72
  text "3 2 1 0" at 87.198,3.607 h2.72
  text "Power 5V" at 35.611,2.032 h2.7
  text "Address 4bit" at 57.887,1.93 h2.7
  text "Instruction 8bit" at 76.53,1.93 h2.7
  text "Clock&Reset System" at 2.032,1.524 h2.7
Bottom Overlay:
  rectangle: 5,179 15,189
Mechanical 1:
  the board outline again, w0.15
Mechanical 2:
  lines w0.254: 24.841,118.11 24.892,118.161 ; 24.841,144.78 24.892,144.831
  lines w0.508: 24.841,118.11 1.524,118.11 1.524,144.018 24.892,144.018 24.892,118.161 ; 24.841,144.78 1.524,144.78 1.524,170.688 24.892,170.688 24.892,144.831 ; 24.892,91.44 1.575,91.44 1.575,117.348 24.943,117.348 24.943,91.491 ; 29.464,31.242 52.832,31.242 52.832,50.038 29.464,50.038 29.464,31.293 ; 1.524,1.524 1.524,64.008 24.892,64.008 24.892,27.94 34.29,27.94 34.29,22.098 34.29,1.524 1.524,1.524 ; 1.524,64.77 1.524,90.678 24.892,90.678 24.892,64.821 24.841,64.77 1.524,64.77 ; 1.524,171.45 1.524,192.024 24.892,192.024 24.892,171.45 1.524,171.45 ; 29.464,50.8 52.832,50.8 52.832,90.678 29.464,90.678 29.464,50.8 ; 29.464,91.44 52.832,91.44 52.832,117.348 29.464,117.348 29.464,91.44 ; 29.464,118.11 52.832,118.11 52.832,170.688 29.464,170.688 29.464,118.11 ; 29.464,171.45 52.832,171.45 52.832,192.024 29.464,192.024 29.464,171.45 ; 38.151,11.684 57.658,11.684 57.658,1.524 102.108,1.524 102.108,192.024 56.896,192.024 56.896,27.94 38.151,27.94 38.151,11.684

## Text inside footprints (layer, text, board x,y; h text height)
SW0: Top Overlay "ON" at 80.264,188.468 h1.52
SW1: Top Overlay "ON" at 80.264,178.308 h1.52
SW2: Top Overlay "ON" at 80.264,168.148 h1.52
SW3: Top Overlay "ON" at 80.264,157.988 h1.52
SW4: Top Overlay "ON" at 80.264,147.828 h1.52
SW5: Top Overlay "ON" at 80.264,137.668 h1.52
SW6: Top Overlay "ON" at 80.264,127.508 h1.52
SW7: Top Overlay "ON" at 80.264,117.348 h1.52
SW8: Top Overlay "ON" at 80.264,107.188 h1.52
SW9: Top Overlay "ON" at 80.264,97.028 h1.52
SW10: Top Overlay "ON" at 80.264,86.868 h1.52
SW11: Top Overlay "ON" at 80.264,76.708 h1.52
SW12: Top Overlay "ON" at 80.264,66.548 h1.52
SW13: Top Overlay "ON" at 80.264,56.388 h1.52
SW14: Top Overlay "ON" at 80.264,46.228 h1.52
SW15: Top Overlay "ON" at 80.264,36.068 h1.52
SW18: Top Overlay "ON" at 43.434,178.308 h1.52